# Altium PCB transceiver_board_V1.PcbDoc (part 3 of 3)
Units mm, origin at the board's own origin, x right, y up, seen from the top; angles counter-clockwise.
Board outline 93.88 x 97.28 mm, 4 copper layers (L1-CU, L2-CU, L3-CU, L4-CU), stack 1.602 mm thick; 102 components, 133 nets, 517 pads, 379 vias.
Unrouted connection lines stored in the file: 680.
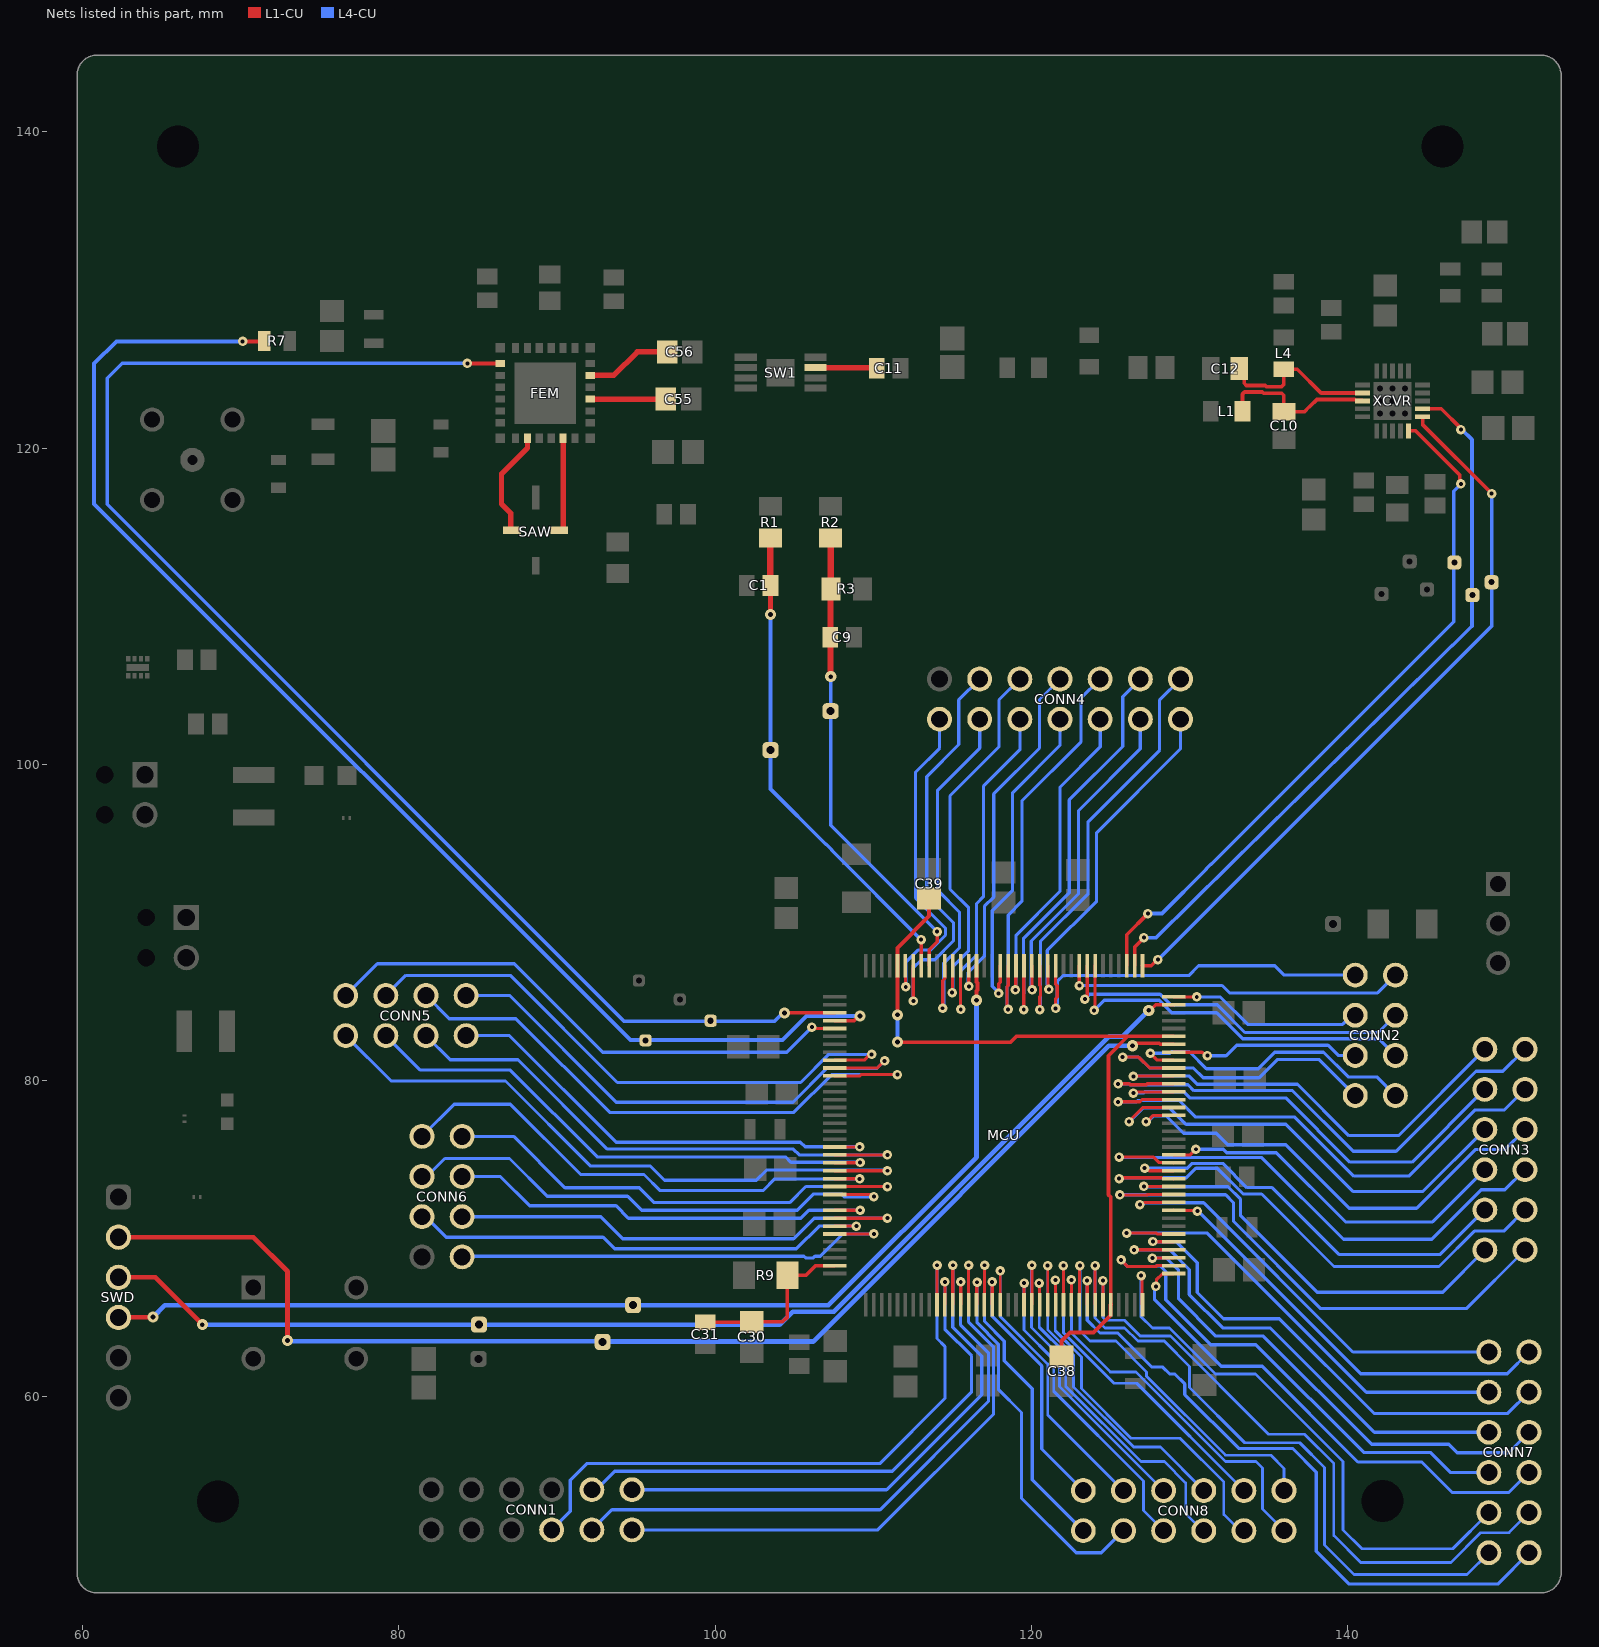
[diagram p5: the nets of this part, all layers, seen from the top]

## Via types
v1: diameter 0.7, hole 0.3, L1-CU to L4-CU, 201 vias
v2: diameter 0.6, hole 0.25, L1-CU to L4-CU, 140 vias
v3: diameter 1, hole 0.5, L1-CU to L4-CU, 36 vias
v4: diameter 1.524, hole 0.762, L1-CU to L4-CU, 1 vias
v5: diameter 0.7/0.7/0.7/0.7 (per signal layer), hole 0.3, L1-CU to L4-CU, 1 vias

## Nets (pads, with @x,y where several pads share a name; then routed paths per layer and width w, separated by ;. In a path a pad name is that pad's centre, name@x,y a point inside that pad or via, vN(x,y) a via of type N, cw(c..) or ccw(c..) an arc to the next point about the centre after c; other vN are vias at no path point) (continued)
PA7: CONN1.8 MCU.46 | length 40.6
  L1-CU w0.203: MCU.46@114.038,65.811 v2(114.038,68.303)
  L4-CU w0.203: CONN1.8@89.662,51.562 90.83,52.73 90.83,54.712 91.872,55.753 110.419,55.753 114.538,59.872 114.538,63.169 114.038,63.669 v2(114.038,68.303)
PA8: CONN3.12 MCU.97 | length 33.7
  L1-CU w0.203: v2(125.501,79.78) 126.19,79.78 126.248,79.723 127.281,79.723 127.338,79.78 MCU.97@129.007,79.78
  L4-CU w0.203: v2(125.501,79.78) 126.19,79.78 126.248,79.723 129.914,79.723 130.287,79.35 136.525,79.35 140.36,75.514 143.078,75.514 148.133,80.569 149.835,80.569 CONN3.12@151.232,81.966
PA9: CONN3.11 MCU.98 | length 28.6
  L1-CU w0.203: v2(126.467,80.252) 126.495,80.28 MCU.98@129.007,80.28
  L4-CU w0.203: v2(126.467,80.252) 126.495,80.28 129.967,80.28 130.492,79.756 136.842,79.756 140.094,76.505 143.231,76.505 CONN3.11@148.692,81.966
PA10: CONN2.1 MCU.99 | length 20.2
  L1-CU w0.203: v2(125.782,81.471) 126.792,81.471 127.483,80.78 MCU.99@129.007,80.78
  L4-CU w0.203: v2(125.782,81.471) 126.792,81.471 127.483,80.78 130.256,80.78 130.874,80.162 134.41,80.162 135.558,81.311 138.22,81.311 CONN2.1@140.495,79.036
PA11: CONN2.2 MCU.100 | length 19.2
  L1-CU w0.203: v2(127.532,81.713) 127.965,81.28 MCU.100@129.007,81.28
  L4-CU w0.203: v2(127.532,81.713) 128.776,81.713 128.872,81.809 130.009,81.809 131.082,80.736 134.355,80.736 135.39,81.771 138.485,81.771 140.043,80.213 141.857,80.213 CONN2.2@143.035,79.036
PA12: CONN2.3 MCU.101 | length 12.1
  L1-CU w0.203: MCU.101@129.007,81.78 130.809,81.78 131.029,81.559 v2(131.137,81.559)
  L4-CU w0.203: v2(131.137,81.559) 132.327,81.559 132.987,82.22 138.776,82.22 139.419,81.576 CONN2.3@140.495,81.576
PA15: CONN2.5 MCU.108 | length 12.4
  L1-CU w0.203: MCU.108@129.007,85.28 v2(130.467,85.28)
  L4-CU w0.203: v2(130.467,85.28) 130.987,85.28 130.994,85.273 131.956,85.273 133.689,83.541 139.694,83.541 140.269,84.116 CONN2.5@140.495,84.116
PB0: CONN1.10 MCU.49 | length 38.2
  L1-CU w0.203: MCU.49@115.538,65.811 v2(115.538,67.247)
  L4-CU w0.203: CONN1.10@92.202,51.562 93.472,52.832 110.439,52.832 117.29,59.683 117.29,62.772 115.516,64.546 115.516,67.225 v2(115.538,67.247)
PB1: CONN1.12 MCU.50 | length 38.5
  L1-CU w0.203: MCU.50@116.038,65.811 v2(116.038,68.303)
  L4-CU w0.203: CONN1.12@94.742,51.562 110.287,51.562 117.617,58.892 117.617,63.127 116.038,64.705 v2(116.038,68.303)
PB2: CONN8.4 MCU.51 | length 24.7
  L1-CU w0.203: MCU.51@116.538,65.811 116.551,65.824 116.551,67.204 v2(116.571,67.225)
  L4-CU w0.203: v2(116.571,67.225) 116.571,64.652 117.921,63.302 117.921,60.447 119.38,58.988 119.38,53.569 122.834,50.114 124.435,50.114 CONN8.4@125.832,51.511
PB4: CONN4.8 MCU.131 | length 23.2
  L1-CU w0.203: MCU.131@116.038,87.249 116.047,87.24 116.047,85.948 v2(116.056,85.939)
  L4-CU w0.203: v2(116.056,85.939) 116.006,85.989 116.006,86.822 117.038,87.854 117.038,91.003 117.627,91.592 117.627,98.12 120.523,101.016 120.523,104.089 CONN4.8@121.818,105.385
PB5: CONN4.9 MCU.132 | length 22.7
  L1-CU w0.203: v2(115.538,84.486) 115.527,84.497 115.527,87.238 MCU.132@115.538,87.249
  L4-CU w0.203: v2(115.538,84.486) 115.527,84.497 115.527,86.388 115.516,86.399 115.516,86.891 116.538,87.912 116.538,91.183 116.987,91.632 116.987,98.623 119.278,100.914 CONN4.9@119.278,102.845
PB6: CONN4.10 MCU.133 | length 24.3
  L1-CU w0.203: v2(114.998,85.55) 115.025,85.576 115.025,87.236 MCU.133@115.038,87.249
  L4-CU w0.203: v2(114.998,85.55) 115.038,85.589 115.038,87.184 116.038,88.184 116.038,90.917 114.859,92.096 114.859,97.993 117.958,101.092 117.958,104.064 CONN4.10@119.278,105.385
PB7: CONN4.11 MCU.134 | length 23.2
  L1-CU w0.203: v2(114.398,84.56) 114.398,86.317 114.525,86.444 114.525,87.236 MCU.134@114.538,87.249
  L4-CU w0.203: v2(114.398,84.56) 114.47,84.632 114.47,87.405 115.468,88.404 115.468,90.617 114.071,92.014 114.071,98.349 116.738,101.016 CONN4.11@116.738,102.845
PB10: CONN7.12 MCU.66 | length 41.6
  L1-CU w0.178: MCU.66@124.038,65.811 v2(124.038,68.28)
  L4-CU w0.178: v2(124.038,68.28) 124.038,64.96 124.66,64.338 125.908,64.338 126.746,63.5 128.41,63.5 130.004,61.906 130.004,60.579 133.509,57.074 136.982,57.074 138.557,55.499 138.557,50.597 140.411,48.743 147.574,48.743 CONN7.12@148.946,50.114
PB11: CONN7.9 MCU.67 | length 41.2
  L1-CU w0.178: MCU.67@124.537,65.812 v2@124.537,67.332
  L4-CU w0.178: v2(124.537,67.332) 124.537,65.005 124.721,64.821 125.898,64.821 126.898,63.821 128.804,63.821 135.018,57.607 137.287,57.607 139.141,55.753 139.141,51.206 140.843,49.505 146.558,49.505 148.438,51.384 150.216,51.384 CONN7.9@151.486,52.654
PB12: CONN7.10 MCU.72 | length 36
  L1-CU w0.178: v2(126.952,67.64) 127.012,67.58 127.012,65.837 MCU.72@127.038,65.811
  L4-CU w0.178: v2(126.952,67.64) 126.952,65.047 127.66,64.338 128.74,64.338 131.655,61.423 134.179,61.423 139.725,55.877 139.725,51.562 140.919,50.368 146.66,50.368 CONN7.10@148.946,52.654
PB13: CONN7.7 MCU.73 | length 31.8
  L1-CU w0.203: v2(127.879,66.965) 127.913,67 127.913,67.38 128.301,67.767 128.994,67.767 MCU.73@129.007,67.78
  L4-CU w0.203: v2(127.879,66.965) 127.803,66.889 127.803,66.117 132.015,61.906 134.614,61.906 140.665,55.855 144.704,55.855 146.634,53.924 150.216,53.924 CONN7.7@151.486,55.194
PB14: CONN7.8 MCU.74 | length 33.5
  L1-CU w0.203: v2(125.678,68.641) 126.099,68.219 127.879,68.219 127.941,68.28 MCU.74@129.007,68.28
  L4-CU w0.203: v2(125.678,68.641) 125.689,68.641 126.111,68.219 127.879,68.219 127.919,68.259 128.16,68.259 128.511,67.907 128.511,66.114 131.354,63.271 134.214,63.271 141.021,56.464 145.237,56.464 146.507,55.194 CONN7.8@148.946,55.194
PB15: CONN7.5 MCU.75 | length 31.9
  L1-CU w0.203: v2(127.66,68.747) 127.68,68.768 128.994,68.768 MCU.75@129.007,68.78
  L4-CU w0.203: v2(127.66,68.747) 127.672,68.759 128.549,68.759 129.318,67.99 129.318,66.171 131.667,63.821 134.68,63.821 141.529,56.972 146.406,56.972 146.939,56.439 150.19,56.439 CONN7.5@151.486,57.734
PC0: CONN6.3 MCU.28 | length 28.1
  L1-CU w0.203: MCU.28@107.569,71.78 v2(109.172,71.78)
  L4-CU w0.203: CONN6.3@83.998,73.914 86.411,73.914 88.265,72.06 93.738,72.06 94.518,71.28 105.431,71.28 105.931,71.78 v2(109.172,71.78)
PC1: CONN6.5 MCU.29 | length 31.4
  L1-CU w0.203: MCU.29@107.569,71.28 v2(110.898,71.28)
  L4-CU w0.203: CONN6.5@83.902,71.374 92.761,71.374 94.158,69.977 104.966,69.977 106.269,71.28 v2(110.898,71.28)
PC2_C: CONN6.6 MCU.30 | length 30.2
  L1-CU w0.203: MCU.30@107.569,70.78 v2(108.936,70.78)
  L4-CU w0.203: CONN6.6@81.572,71.488 82.982,70.079 92.913,70.079 93.65,69.342 105.14,69.342 106.578,70.78 v2(108.936,70.78)
PC3_C: CONN6.7 MCU.31 | length 29.2
  L1-CU w0.203: MCU.31@107.569,70.28 v2(110.038,70.28)
  L4-CU w0.203: CONN6.7@83.964,68.868 105.625,68.868 105.729,68.763 106.208,68.763 106.313,68.868 106.656,68.868 108.069,70.28 v2(110.038,70.28)
PC4: CONN1.9 MCU.47 | length 35.7
  L1-CU w0.203: MCU.47@114.538,65.811 v2(114.538,67.247)
  L4-CU w0.203: CONN1.9@92.202,54.102 92.481,54.102 93.65,55.27 111.202,55.27 116.228,60.296 116.228,62.568 114.538,64.258 v2(114.538,67.247)
PC5: CONN1.11 MCU.48 | length 36
  L1-CU w0.203: MCU.48@115.038,65.811 v2(115.038,68.303)
  L4-CU w0.203: CONN1.11@94.742,54.102 110.846,54.102 116.865,60.122 116.865,62.547 115.038,64.375 v2(115.038,68.303)
PC6: CONN3.8 MCU.93 | length 30.5
  L1-CU w0.203: v2(127.264,77.391) 127.341,77.391 127.73,77.78 MCU.93@129.007,77.78
  L4-CU w0.203: v2(127.264,77.391) 127.371,77.391 127.742,77.762 128.525,77.762 129.632,76.655 131.697,76.655 132.432,75.921 136.093,75.921 140.106,71.907 144.374,71.907 148.082,75.616 149.962,75.616 CONN3.8@151.232,76.886
PC7: CONN3.7 MCU.94 | length 29.9
  L1-CU w0.203: v2(126.19,77.391) 126.19,77.426 127.044,78.28 MCU.94@129.007,78.28
  L4-CU w0.203: v2(126.19,77.391) 127.043,78.244 128.755,78.244 129.783,77.216 136.106,77.216 140.348,72.974 144.78,72.974 CONN3.7@148.692,76.886
PC8: CONN3.10 MCU.95 | length 33.6
  L1-CU w0.203: v2(125.501,78.641) 126.864,78.641 127.004,78.78 MCU.95@129.007,78.78
  L4-CU w0.203: v2(125.501,78.641) 126.66,78.641 126.743,78.723 129.362,78.723 130.412,77.673 136.677,77.673 140.411,73.939 143.891,73.939 148.082,78.13 149.936,78.13 CONN3.10@151.232,79.426
PC9: CONN3.9 MCU.96 | length 28.6
  L1-CU w0.203: v2(126.467,79.194) 126.54,79.267 128.994,79.267 MCU.96@129.007,79.28
  L4-CU w0.203: v2(126.467,79.194) 127.087,79.194 127.173,79.28 129.637,79.28 130.03,78.887 136.099,78.887 140.157,74.828 144.094,74.828 CONN3.9@148.692,79.426
PC13: CONN5.3 MCU.9 | length 37.3
  L1-CU w0.203: MCU.9@107.569,81.28 109.43,81.28 109.791,81.64 v2(109.898,81.64)
  L4-CU w0.203: CONN5.3@79.172,85.369 80.442,86.639 87.046,86.639 93.822,79.863 105.407,79.863 107.185,81.64 v2(109.898,81.64)
PC14-OSC32_IN: CONN5.7 MCU.10 | length 33.7
  L1-CU w0.203: MCU.10@107.569,80.78 110.27,80.78 v2(110.719,81.229)
  L4-CU w0.203: CONN5.7@84.252,85.369 86.995,85.369 93.751,78.613 104.926,78.613 107.064,80.752 110.241,80.752 v2(110.719,81.229)
PC15-OSC32_OUT: CONN5.5 MCU.11 | length 37.9
  L1-CU w0.203: MCU.11@107.569,80.28 109.156,80.28 109.241,80.366 v2(111.531,80.366)
  L4-CU w0.203: CONN5.5@81.712,85.369 83.185,83.896 87.401,83.896 87.461,83.837 93.325,77.973 104.981,77.973 107.374,80.366 v2(111.531,80.366)
PD3: CONN2.4 MCU.115 | length 23.6
  L1-CU w0.203: v2(123.977,84.43) 124.025,84.477 124.025,87.236 MCU.115@124.038,87.249
  L4-CU w0.203: v2(123.977,84.43) 124.612,85.065 128.1,85.065 128.884,84.28 131.724,84.28 133.378,82.626 141.984,82.626 CONN2.4@143.035,81.576
PD4: CONN2.6 MCU.116 | length 23.4
  L1-CU w0.203: v2(123.398,85.141) 123.398,85.221 123.538,85.361 MCU.116@123.538,87.249
  L4-CU w0.203: v2(123.398,85.141) 123.703,85.445 128.15,85.445 128.818,84.777 131.765,84.777 133.515,83.027 141.946,83.027 CONN2.6@143.035,84.116
PD5: CONN2.8 MCU.117 | length 21.9
  L1-CU w0.203: v2(123.038,85.996) MCU.117@123.038,87.249
  L4-CU w0.203: v2(123.038,85.996) 132.069,85.996 132.538,85.527 141.906,85.527 CONN2.8@143.035,86.656
PD6: CONN2.7 MCU.120 | length 24
  L1-CU w0.203: v2(121.538,84.556) 121.538,85.172 121.639,85.274 121.639,85.978 121.538,86.08 MCU.120@121.538,87.249
  L4-CU w0.203: v2(121.538,84.556) 121.614,84.632 121.614,84.848 121.639,84.873 121.639,86.258 122.008,86.627 129.959,86.627 130.581,87.249 135.407,87.249 136,86.656 CONN2.7@140.495,86.656
PD7: CONN4.1 MCU.121 | length 22.1
  L1-CU w0.203: MCU.121@121.038,87.249 121.05,87.236 121.05,85.819 v2(121.111,85.759)
  L4-CU w0.203: v2(121.111,85.759) 121.035,85.835 121.035,86.058 121.016,86.077 121.016,88.218 124.13,91.332 124.13,95.656 129.438,100.965 CONN4.1@129.438,102.845
PD8: CONN7.6 MCU.76 | length 30.6
  L1-CU w0.203: v2(126.509,69.271) 126.514,69.276 129.002,69.276 MCU.76@129.007,69.28
  L4-CU w0.203: v2(126.509,69.271) 127.437,69.271 127.441,69.276 128.752,69.276 129.997,68.031 129.997,66.446 132.105,64.338 135.103,64.338 141.707,57.734 CONN7.6@148.946,57.734
PD9: CONN7.3 MCU.77 | length 31.3
  L1-CU w0.203: v2(127.697,69.804) 127.709,69.792 128.995,69.792 MCU.77@129.007,69.78
  L4-CU w0.203: v2(127.697,69.804) 127.721,69.78 129.183,69.78 130.505,68.458 130.505,66.58 132.163,64.922 135.687,64.922 141.681,58.928 150.139,58.928 CONN7.3@151.486,60.274
PD10: CONN7.4 MCU.78 | length 30.1
  L1-CU w0.203: v2(126.035,70.333) 127.916,70.333 127.968,70.28 MCU.78@129.007,70.28
  L4-CU w0.203: v2(126.035,70.333) 131.14,70.333 141.199,60.274 CONN7.4@148.946,60.274
PD11: CONN7.1 MCU.81 | length 27.3
  L1-CU w0.203: MCU.81@129.007,71.78 129.019,71.767 130.468,71.767 v2(130.505,71.73)
  L4-CU w0.203: v2(130.505,71.73) 130.555,71.73 140.843,61.443 150.114,61.443 CONN7.1@151.486,62.814
PD12: CONN7.2 MCU.82 | length 28.2
  L1-CU w0.203: v2(126.876,72.141) 126.983,72.141 127.123,72.28 MCU.82@129.007,72.28
  L4-CU w0.203: v2(126.876,72.141) 126.952,72.216 127.151,72.216 127.193,72.259 130.9,72.259 140.344,62.814 CONN7.2@148.946,62.814
PD13: CONN3.2 MCU.83 | length 34.3
  L1-CU w0.203: v2(125.608,72.751) 127.334,72.751 127.363,72.78 MCU.83@129.007,72.78
  L4-CU w0.203: v2(125.608,72.751) 125.616,72.759 132.293,72.759 132.795,72.257 132.795,71.074 138.311,65.557 147.523,65.557 CONN3.2@151.232,69.266
PD14: CONN3.1 MCU.84 | length 27.9
  L1-CU w0.203: v2(127.123,73.287) 127.126,73.284 129.003,73.284 MCU.84@129.007,73.28
  L4-CU w0.203: v2(127.123,73.287) 127.141,73.27 132.445,73.27 133.245,72.47 133.245,71.439 138.085,66.599 146.025,66.599 CONN3.1@148.692,69.266
PD15: CONN3.4 MCU.85 | length 33.5
  L1-CU w0.203: v2(125.551,73.78) 125.608,73.837 128.253,73.837 128.297,73.793 128.994,73.793 MCU.85@129.007,73.78
  L4-CU w0.203: v2(125.551,73.78) 125.608,73.837 129.808,73.837 130.413,74.442 131.769,74.442 133.404,72.807 134.568,72.807 139.151,68.224 145.796,68.224 148.031,70.46 149.885,70.46 CONN3.4@151.232,71.806
PE0: CONN4.12 MCU.138 | length 26.2
  L1-CU w0.203: v2(112.538,85.018) MCU.138@112.538,87.249
  L4-CU w0.203: v2(112.538,85.018) 112.538,87.112 113.056,87.63 113.894,87.63 115.077,88.814 115.077,89.986 113.386,91.678 113.386,99.212 115.418,101.244 115.418,104.064 CONN4.12@116.738,105.385
PE1: CONN4.13 MCU.139 | length 21.2
  L1-CU w0.203: MCU.139@112.038,87.249 112.038,85.939 v2(112.059,85.918)
  L4-CU w0.203: v2(112.059,85.918) 112.059,87.472 112.827,88.24 113.625,88.24 114.575,89.189 114.575,89.627 112.674,91.527 112.674,99.492 114.198,101.016 CONN4.13@114.198,102.845
PE5: CONN5.1 MCU.5 | length 34.8
  L1-CU w0.203: v2(106.121,83.368) 106.202,83.368 106.29,83.28 MCU.5@107.569,83.28
  L4-CU w0.203: CONN5.1@76.632,85.369 78.638,87.376 87.3,87.376 92.896,81.78 104.533,81.78 v2(106.121,83.368)
PE7: CONN8.6 MCU.57 | length 20.7
  L1-CU w0.178: MCU.57@119.538,65.811 119.543,65.817 119.543,67.169 v2(119.549,67.174)
  L4-CU w0.178: v2(119.549,67.174) 119.538,67.163 119.538,64.205 121.42,62.323 121.42,60.33 127.102,54.649 127.102,52.781 CONN8.6@128.372,51.511
PE8: CONN8.5 MCU.58 | length 20.2
  L1-CU w0.178: MCU.58@120.038,65.811 v2(120.038,68.303)
  L4-CU w0.178: v2(120.038,68.303) 120.015,68.28 120.015,64.375 121.791,62.598 121.791,60.631 CONN8.5@128.372,54.051
PE9: CONN8.8 MCU.59 | length 22.2
  L1-CU w0.178: v2(120.504,67.174) 120.521,67.157 120.521,65.828 MCU.59@120.538,65.811
  L4-CU w0.178: v2(120.504,67.174) 120.504,64.384 122.178,62.71 122.178,60.64 126.938,55.88 128.422,55.88 129.769,54.534 129.769,52.603 CONN8.8@130.886,51.486
PE10: CONN8.7 MCU.60 | length 21.8
  L1-CU w0.178: MCU.60@121.038,65.811 v2(121.038,68.28)
  L4-CU w0.178: v2(121.038,68.28) 121.038,64.245 122.677,62.605 122.677,60.604 126.487,56.794 128.168,56.794 CONN8.7@130.912,54.051
PE11: CONN8.10 MCU.61 | length 24.2
  L1-CU w0.178: v2(121.52,67.358) 121.529,67.349 121.529,65.82 MCU.61@121.538,65.811
  L4-CU w0.178: v2(121.52,67.358) 121.52,64.158 123.174,62.503 123.174,60.503 126.316,57.361 129.405,57.361 132.182,54.585 132.182,52.527 CONN8.10@133.325,51.384
PE12: CONN8.9 MCU.62 | length 22.3
  L1-CU w0.178: MCU.62@122.038,65.811 v2(122.038,68.28)
  L4-CU w0.178: v2(122.038,68.28) 122.038,64.035 125.24,60.833 126.67,60.833 CONN8.9@133.452,54.051
PE13: CONN8.12 MCU.63 | length 25.1
  L1-CU w0.178: MCU.63@122.538,65.811 122.541,65.814 122.541,67.368 v2(122.544,67.371)
  L4-CU w0.178: v2(122.544,67.371) 122.544,64.017 125.003,61.558 126.617,61.558 132.295,55.88 134.214,55.88 134.62,55.474 134.62,52.883 CONN8.12@135.992,51.511
PE14: CONN8.11 MCU.64 | length 24.7
  L1-CU w0.178: MCU.64@123.038,65.811 123.056,65.83 123.056,68.262 v2(123.074,68.28)
  L4-CU w0.178: v2(123.074,68.28) 123.074,64.141 123.716,63.5 125.351,63.5 127.293,61.558 127.293,61.277 132.284,56.286 135.153,56.286 135.992,55.448 CONN8.11@135.992,54.051
PE15: CONN7.11 MCU.65 | length 43
  L1-CU w0.203: MCU.65@123.538,65.811 MCU.65@123.538,65.811 123.539,67.332 v2(123.54,67.333)
  L4-CU w0.203: v2(123.54,67.333) 123.54,64.823 124.348,64.016 125.483,64.016 127.637,61.862 128.327,61.862 128.766,61.423 129.083,61.423 129.712,60.793 129.712,60.121 133.115,56.718 136.525,56.718 138.024,55.22 138.024,50.216 140.106,48.133 149.504,48.133 CONN7.11@151.486,50.114
PF6: CONN5.8 MCU.20 | length 29.4
  L1-CU w0.203: MCU.20@107.569,75.78 107.576,75.787 109.13,75.787 v2(109.137,75.794)
  L4-CU w0.203: CONN5.8@84.252,82.829 86.995,82.829 93.738,76.086 105.397,76.086 105.689,75.794 v2(109.137,75.794)
PF7: CONN5.6 MCU.21 | length 35.6
  L1-CU w0.203: MCU.21@107.569,75.28 v2(110.898,75.28)
  L4-CU w0.203: CONN5.6@81.712,82.829 83.236,81.305 87.528,81.305 93.187,75.647 104.947,75.647 105.314,75.28 v2(110.898,75.28)
PF8: CONN5.4 MCU.22 | length 34.9
  L1-CU w0.203: MCU.22@107.569,74.78 107.58,74.791 109.162,74.791 v2(109.172,74.802)
  L4-CU w0.203: CONN5.4@79.172,82.829 81.356,80.645 87.046,80.645 92.532,75.159 104.453,75.159 104.797,74.814 109.16,74.814 v2(109.172,74.802)
PF9: CONN5.2 MCU.23 | length 41.7
  L1-CU w0.203: MCU.23@107.569,74.28 v2(110.898,74.28)
  L4-CU w0.203: CONN5.2@76.632,82.829 79.502,79.959 86.741,79.959 92.126,74.574 95.91,74.574 96.799,73.685 102.613,73.685 103.251,74.323 110.855,74.323 v2(110.898,74.28)
PF10: CONN6.2 MCU.24 | length 32.7
  L1-CU w0.203: MCU.24@107.569,73.78 107.579,73.771 109.137,73.771 v2(109.146,73.761)
  L4-CU w0.203: CONN6.2@81.458,76.454 83.49,78.486 87.046,78.486 91.491,74.041 95.504,74.041 96.52,73.025 103.028,73.025 103.764,73.761 v2(109.146,73.761)
PF11: CONN8.2 MCU.52 | length 21.9
  L1-CU w0.203: MCU.52@117.038,65.811 117.05,65.824 v2(117.05,68.303)
  L4-CU w0.203: v2(117.05,68.303) 117.05,64.742 118.288,63.504 118.288,62.264 120.066,60.486 120.066,54.737 CONN8.2@123.292,51.511
PF14: CONN8.1 MCU.53 | length 17
  L1-CU w0.203: v2(117.529,67.247) 117.533,67.242 117.533,65.816 MCU.53@117.538,65.811
  L4-CU w0.203: v2(117.529,67.247) 117.529,65.073 120.666,61.935 120.666,56.677 CONN8.1@123.292,54.051
PF15: CONN8.3 MCU.54 | length 19.3
  L1-CU w0.178: MCU.54@118.038,65.811 v2(118.038,67.945)
  L4-CU w0.178: v2(118.038,67.945) 118.038,65.056 121.038,62.056 121.038,58.845 124.841,55.042 CONN8.3@125.832,54.051
PG6: CONN3.3 MCU.86 | length 27.1
  L1-CU w0.203: v2(127.173,74.442) 127.28,74.442 127.442,74.28 MCU.86@129.007,74.28
  L4-CU w0.203: v2(127.173,74.442) 129.875,74.442 130.18,74.747 132.11,74.747 133.643,73.214 135.232,73.214 139.459,68.986 145.872,68.986 CONN3.3@148.692,71.806
PG7: CONN3.6 MCU.87 | length 33.3
  L1-CU w0.203: v2(125.551,75.14) 127.74,75.14 128.087,74.793 128.994,74.793 MCU.87@129.007,74.78
  L4-CU w0.203: v2(125.551,75.14) 125.579,75.112 134.591,75.112 139.751,69.952 145.339,69.952 148.463,73.076 149.962,73.076 CONN3.6@151.232,74.346
PG8: CONN3.5 MCU.88 | length 23.1
  L1-CU w0.203: MCU.88@129.007,75.28 130.053,75.28 v2(130.413,75.64)
  L4-CU w0.203: v2(130.413,75.64) 132.139,75.64 132.359,75.42 135.502,75.42 139.878,71.044 145.39,71.044 CONN3.5@148.692,74.346
PG9: CONN4.2 MCU.122 | length 27.4
  L1-CU w0.203: v2(120.538,84.477) 120.538,85.293 120.582,85.338 120.582,85.97 120.538,86.015 MCU.122@120.538,87.249
  L4-CU w0.203: v2(120.538,84.477) 120.582,84.522 120.582,88.791 123.596,91.805 123.596,96.368 128.118,100.889 128.118,104.064 CONN4.2@129.438,105.385
PG10: CONN4.3 MCU.123 | length 21.5
  L1-CU w0.203: MCU.123@120.038,87.249 120.046,87.241 120.046,85.733 v2(120.054,85.725)
  L4-CU w0.203: v2(120.054,85.725) 120.004,85.775 120.004,88.812 122.987,91.796 122.987,97.053 126.898,100.965 CONN4.3@126.898,102.845
PG11: CONN4.4 MCU.124 | length 26.8
  L1-CU w0.203: v2(119.525,84.477) 119.525,87.236 MCU.124@119.538,87.249
  L4-CU w0.203: v2(119.525,84.477) 119.516,84.486 119.516,85.497 119.525,85.506 119.525,87.241 119.516,87.25 119.516,88.986 122.403,91.872 122.403,97.739 125.781,101.117 125.781,104.267 CONN4.4@126.898,105.385
PG12: CONN4.5 MCU.125 | length 20.9
  L1-CU w0.203: v2(118.997,85.725) 119.025,85.754 119.025,87.236 MCU.125@119.038,87.249
  L4-CU w0.203: v2(118.997,85.725) 119.038,85.766 119.038,89.178 121.818,91.959 121.818,98.552 124.358,101.092 CONN4.5@124.358,102.845
PG13: CONN4.6 MCU.126 | length 26.2
  L1-CU w0.203: v2(118.538,84.486) 118.468,84.556 118.468,85.944 118.538,86.014 MCU.126@118.538,87.249
  L4-CU w0.203: v2(118.538,84.486) 118.468,84.556 118.468,85.944 118.538,86.014 118.538,90.456 119.411,91.329 119.411,97.669 123.139,101.397 123.139,104.165 CONN4.6@124.358,105.385
PG14: CONN4.7 MCU.127 | length 21.1
  L1-CU w0.203: v2(117.939,85.497) 117.939,86.105 118.038,86.204 MCU.127@118.038,87.249
  L4-CU w0.203: v2(117.939,85.497) 117.939,85.55 117.538,85.951 117.538,90.739 118.821,92.023 118.821,98.196 121.818,101.194 CONN4.7@121.818,102.845
PH0-OSC_IN: CONN6.1 MCU.25 | length 32.4
  L1-CU w0.203: MCU.25@107.569,73.28 107.57,73.281 110.897,73.281 v2(110.898,73.28)
  L4-CU w0.203: CONN6.1@83.998,76.454 87.249,76.454 90.5,73.203 95.199,73.203 96.122,72.28 104.741,72.28 105.743,73.282 110.896,73.282 v2(110.898,73.28)
PH1-OSC_OUT: CONN6.4 MCU.26 | length 33.4
  L1-CU w0.203: MCU.26@107.569,72.78 109.818,72.78 109.957,72.64 v2(110.038,72.64)
  L4-CU w0.203: CONN6.4@81.458,73.914 81.763,73.914 82.906,75.057 86.995,75.057 89.383,72.669 94.463,72.669 95.352,71.78 105.192,71.78 106.215,72.803 108.005,72.803 108.167,72.64 v2(110.038,72.64)
RF_N: C10.1 L1.1 XCVR.13 | length 10.2
  L1-CU w0.231: L1.1@133.359,122.326 133.359,123.41 133.495,123.546 134.62,123.546 134.698,123.468 135.831,123.468 135.966,123.333 135.966,122.326 C10.1@135.992,122.301 137.287,122.301 137.592,122.606 137.606,122.606 138.071,123.071 138.642,123.071 140.462,123.071 140.516,123.017 140.921,123.017 XCVR.13@140.958,122.98
RF_P: C12.1 L4.2 XCVR.12 | length 10.3
  L1-CU w0.231: C12.1@133.155,125.019 133.469,124.705 133.469,124.09 133.604,123.954 134.789,123.954 134.867,123.877 135.831,123.877 135.966,124.012 L4.2@135.966,124.984 136.83,124.984 138.334,123.48 XCVR.12@140.958,123.48
RFC: C11.2 SW1.3 | length 3.9
  L1-CU w0.343: SW1.3@106.34,125.09 110.183,125.09 C11.2@110.223,125.05
"Rx Output": C55.2 FEM.18 | length 4.8
  L1-CU w0.343: FEM.18@92.101,123.094 96.882,123.094 C55.2@96.888,123.088
SAW_IN: FEM.10 SAW.1 | length 6.8
  L1-CU w0.343: SAW.1@87.147,114.808 87.145,114.808 87.075,114.878 87.075,115.871 86.487,116.459 86.487,118.364 88.131,120.008 FEM.10@88.131,120.607
SAW_OUT: FEM.13 SAW.3 | length 6
  L1-CU w0.343: SAW.3@90.145,114.808 90.311,114.808 90.381,114.878 FEM.13@90.381,120.607
SCLK: MCU.109 pad.7@149.125,111.51 XCVR.1 | length 46
  L1-CU w0.229: MCU.109@127.038,87.249 127.594,87.249 127.975,87.63 v2(128.016,87.63) ; XCVR.1@144.755,121.98 144.755,121.489 v2(149.125,117.119)
  L4-CU w0.229: v2(128.016,87.63) 128.343,87.957 149.125,108.739 v2(149.125,117.119)
SI: MCU.111 pad.7@146.761,112.751 XCVR.20 | length 44.8
  L1-CU w0.229: MCU.111@126.038,87.249 126.038,89.208 v2(127.381,90.551) ; XCVR.20@143.857,121.081 144.324,121.081 147.111,118.293 147.111,117.8 v2(147.182,117.729)
  L4-CU w0.229: v2(127.381,90.551) 128.27,90.551 131.077,93.358 131.077,93.387 131.352,93.662 131.381,93.662 146.736,109.017 146.736,112.751 146.736,117.266 147.182,117.713 v2(147.182,117.729)
SO: MCU.110 pad.7@147.904,110.693 XCVR.2 | length 46.6
  L1-CU w0.229: MCU.110@126.538,87.249 126.538,88.438 v2(127.127,89.027) ; XCVR.2@144.755,122.48 145.938,122.48 147.182,121.236 v2(147.182,121.158)
  L4-CU w0.229: v2(127.127,89.027) 127.889,89.027 147.811,108.663 147.879,108.73 147.879,110.439 147.879,120.534 147.254,121.158 v2(147.182,121.158)
SWCLK: MCU.107 pad.7@85.065,64.541 SWD.3 | length 76.4
  L1-CU w0.229: v1(127.432,84.43) 127.532,84.43 127.883,84.78 MCU.107@129.007,84.78
  L1-CU w0.305: SWD.3@62.255,67.539 64.592,67.539 67.564,64.567 v1(67.564,64.541)
  L4-CU w0.305: v1(67.564,64.541) pad.7@85.065,64.541 104.089,64.541 104.913,65.366 107.513,65.366 124.928,82.78 125.782,82.78 v1(127.432,84.43)
SWDIO: MCU.102 pad.7@92.888,63.449 SWD.2 | length 79.9
  L1-CU w0.229: v1(126.398,82.189) 126.526,82.189 126.687,82.35 128.102,82.35 128.172,82.28 MCU.102@129.007,82.28
  L1-CU w0.305: SWD.2@62.255,70.079 70.79,70.079 72.949,67.92 v1(72.949,63.543)
  L4-CU w0.305: v1(72.949,63.543) 72.996,63.496 92.868,63.496 92.888,63.476 106.198,63.476 124.911,82.189 v1(126.398,82.189)
SWDO: MCU.130 pad.7@94.818,65.786 SWD.4 | length 70.6
  L1-CU w0.229: v1(116.538,85.065) 116.538,85.656 116.597,85.715 116.597,86.163 116.538,86.223 MCU.130@116.538,87.249
  L1-CU w0.305: SWD.4@62.255,64.999 62.268,65.011 64.427,65.011 v1(64.44,65.024)
  L4-CU w0.305: v1(64.44,65.024) 65.188,65.772 82.372,65.772 82.373,65.773 83.302,65.773 83.303,65.772 94.818,65.772 107.169,65.772 116.538,75.14 v1(116.538,85.065)
TR: FEM.2 MCU.3 pad.7@99.72,83.769 | length 93
  L1-CU w0.229: v2(84.328,125.349) 84.33,125.347 86.408,125.347 FEM.2@86.41,125.344 ; v1(104.394,84.252) 104.422,84.28 MCU.3@107.569,84.28
  L4-CU w0.229: v2(84.328,125.349) 84.313,125.364 62.499,125.364 61.544,124.409 61.544,116.434 94.234,83.744 103.758,83.744 104.266,84.252 v1(104.394,84.252)
"Tx Input": C56.2 FEM.20 | length 5.5
  L1-CU w0.343: FEM.20@92.101,124.594 93.584,124.594 95.076,126.086 C56.2@96.964,126.086
V1: C9.2 MCU.136 pad.7@107.302,103.353 R2.1 R3.2 | length 30.1
  L1-CU w0.229: MCU.136@113.538,87.249 113.538,88.265 114.046,88.773 v2(114.046,89.408)
  L1-CU w0.406: R2.1@107.307,114.316 107.323,114.3 R3.2@107.323,111.084 107.302,111.062 107.302,108.057 C9.2@107.28,108.036 107.298,108.018 107.298,105.554 v1(107.315,105.537)
  L4-CU w0.229: v1(107.315,105.537) 107.315,103.353 107.315,96.139 v2(114.046,89.408)
V2: C1.1 MCU.137 pad.7@103.505,100.889 R1.1 | length 31
  L1-CU w0.229: v2(113.03,88.9) 113.038,88.892 MCU.137@113.038,87.249
  L1-CU w0.305: C1.1@103.497,111.303 103.505,111.295 v1(103.505,109.474)
  L1-CU w0.406: C1.1@103.497,111.303 R1.1@103.497,114.316
  L4-CU w0.229: v1(103.505,109.474) pad.7@103.505,100.889 103.505,98.425 107.003,94.927 107.027,94.927 107.373,94.581 107.373,94.557 v2(113.03,88.9)
VCAP: C38.1 C39.1 MCU.68 MCU.103 MCU.140 | length 50.5
  L1-CU w0.229: v1(111.531,82.42) 118.706,82.42 119.066,82.78 126.113,82.78 ; v1(111.539,84.14) 111.538,85.449 ; 111.538,86.041 MCU.140@111.538,87.249 ; 111.539,85.45 111.539,86.04 ; MCU.68@125.038,65.811 125.038,72.597 124.884,72.751 124.884,81.552 126.113,82.78 ; MCU.103@129.007,82.78 126.113,82.78
  L1-CU w0.254: MCU.140@111.538,87.249 111.538,88.383 113.538,90.383 C39.1@113.538,91.496 ; C38.1@121.92,62.535 121.92,63.5 122.465,64.045 123.946,64.045 125.025,65.125 125.025,65.799 MCU.68@125.038,65.811
  L4-CU w0.229: v1(111.531,82.42) 111.535,82.423 111.535,84.137 v1(111.539,84.14)
VPC: MCU.4 pad.7@95.606,82.525 R7.1 | length 85.1
  L1-CU w0.229: MCU.4@107.569,83.78 108.802,83.78 109.096,84.074 v1(109.169,84.074)
  L1-CU w0.254: v2(70.104,126.746) 71.463,126.746 R7.1@71.488,126.771
  L4-CU w0.254: v2(70.104,126.746) 62.134,126.746 60.719,125.332 60.719,116.471 94.64,82.55 95.606,82.55 104.254,82.55 105.778,84.074 v1(109.169,84.074)
VREF+: C30.2 C31.2 MCU.35 R9.2 | length 11.2
  L1-CU w0.229: C31.2@99.39,64.694 102.286,64.694 C30.2@102.311,64.719 104.267,64.719 104.576,65.028 R9.2@104.576,67.666 105.748,67.666 106.362,68.28 MCU.35@107.569,68.28
pads on no net: CONN4.14 CONN6.8 J1.MH1 J1.MH2 J2.MH1 J2.MH2 LDO.2 LDO.3 MCU.15 MCU.17 MCU.90 MH1.1 MH2.1 MH3.1 MH4.1 XCVR.GND

## Polygon pours and split planes (outlines as drawn)
3.3V on L3-CU "3.3V polygon L3" (solid, remove dead copper, pour order 38): 59.792,93.142 cw(c61.062,93.142) 61.062,94.412 81.458,94.412 ccw(c81.458,95.606) 82.652,95.606 cw(c83.922,95.606) 83.922,96.876 152.121,96.876 cw(c152.121,95.606) 153.391,95.606 153.391,49.073 cw(c152.121,49.073) 152.121,47.803 61.062,47.803 cw(c61.062,49.073) 59.792,49.073
3.9V on L3-CU "3.9V_L03_P024" (solid, remove dead copper, pour order 24): 82.067,128.092 cw(c82.067,129.362) 80.797,129.362 80.797,132.537 cw(c82.042,132.537) 82.042,133.782 94.59,133.782 cw(c94.59,132.512) 95.86,132.512 95.86,128.697 cw(c95.255,128.697) 95.255,128.092
GND on L1-CU "GND_L01_P036" (solid, remove dead copper, pour order 36): 59.715,48.87 ccw(c60.935,48.87) 60.935,47.65 152.197,47.65 ccw(c152.197,48.87) 153.416,48.87 153.416,111.15 ccw(c152.908,111.15) 152.908,111.658 60.985,111.658 ccw(c60.985,110.388) 59.715,110.388
GND on L1-CU "GND_L01_P037" (solid, remove dead copper, pour order 37): 60.255,135.986 cw(c60.255,136.525) 59.715,136.525 59.715,143.586 cw(c60.909,143.586) 60.909,144.78 152.17,144.78 cw(c152.17,143.51) 153.44,143.51 153.44,137.256 cw(c152.17,137.256) 152.17,135.986
GND on L2-CU "GND_L02_P022" (solid, remove dead copper, pour order 22): 59.639,48.692 ccw(c60.757,48.692) 60.757,47.574 152.375,47.574 ccw(c152.375,48.717) 153.518,48.717 153.518,143.713 ccw(c152.375,143.713) 152.375,144.856 60.782,144.856 ccw(c60.782,143.713) 59.639,143.713
GND on L4-CU "Signal" (solid, remove dead copper, pour order 23): 59.639,48.717 59.639,143.713 cw(c60.782,143.713) 60.782,144.856 152.18,144.856 cw(c152.18,143.518) 153.518,143.518 153.518,48.717 cw(c152.375,48.717) 152.375,47.574 60.782,47.574 cw(c60.782,48.717)

## Silkscreen, mask and mechanical layers (free items; w line width, h text height)
Top Overlay:
  drawing of 10 lines, arcs and shapes, not listed
  text "Transceiver" at 128.549,134.163 h1.27
  text "RF Front End" at 61.316,132.715 h1.27
  text "GDO2" at 141.199,112.631 h0.51
  text "SI" at 146.369,111.373 h0.51
  text "SCLK" at 150.114,111.313 h0.51
  text "CSn" at 144.443,109.499 h0.51
  text "GDO0" at 140.945,109.245 h0.51
  text "SO" at 147.529,109.169 h0.51
  text "3.9V" at 71.323,106.02 h1.27
  text "V1" at 105.715,103.073 h0.64
  text "V2" at 101.676,100.584 h0.64
  text "Boot" at 141.63,93.472 h1.27
  text "5V" at 61.468,93.167 h1.27
  text "Transceiver Communications" at 80.052,91.008 h1.52
  text "BYP" at 92.358,85.975 h0.64
  text "*" at 106.731,85.581 h1.02
  text "EN" at 95.739,84.808 h0.64
  text "TR" at 97.752,83.546 h0.64
  text "3.3V" at 60.655,82.398 h1.27
  text "VPC" at 92.888,82.218 h0.64
  text "Bulk Cap" at 135.255,70.129 h0.76
  text "SWDO" at 93.878,66.624 h0.64
  text "SWCLK" at 83.566,65.405 h0.64
  text "SWDIO" at 91.669,62.001 h0.64
  text "NRST" at 84.76,60.757 h0.64
  text "NRST" at 71.632,59.03 h1.27
Board Layer Stack Bottom Overlay:
  text "Designed by Jonathan Lin" at 130.378,138.989 h2.03
  text "Spring 2025" at 118.44,131.775 h2.03
Mechanical 1:
  text "Dimensions units in mm" at 69.395,151.028 h3

## Dimensions
146.025,144.856 to 146.329,139.065 on Mechanical 1
153.518,143.586 to 146.025,144.45 on Mechanical 1
60.909,144.856 to 65.938,139.065 on Mechanical 1
59.639,143.586 to 66.015,141.63 on Mechanical 1
60.782,47.574 to 66.624,53.365 on Mechanical 1
59.639,48.717 to 68.555,49.733 on Mechanical 1
152.375,47.6 to 143.408,53.391 on Mechanical 1
153.518,48.692 to 142.215,49.251 on Mechanical 1
59.69,44.983 to 153.416,44.983 on Mechanical 1

## Text inside footprints (layer, text, board x,y; h text height)
CONN1: Mechanical 13 "RefDes2" at 86.169,52.197 h1.27
CONN2: Mechanical 13 "RefDes2" at 142.4,80.623 h1.27 r90
CONN3: Mechanical 13 "RefDes2" at 150.597,73.393 h1.27 r90
CONN4: Mechanical 13 "RefDes2" at 124.041,104.75 h1.27 r180
CONN5: Mechanical 13 "RefDes2" at 76.352,83.566 h1.27
CONN6: Mechanical 13 "RefDes2" at 82.093,74.867 h1.27 r270
CONN7: Mechanical 13 "RefDes2" at 149.581,58.687 h1.27 r270
CONN8: Mechanical 13 "RefDes2" at 127.419,52.146 h1.27
FEM: Top Overlay "*" at 84.811,126.797 h1.27; Mechanical 13 "*" at 87.329,124.709 h1.27
MCU: Mechanical 13 "*" at 108.458,84.709 h1.27
SAW: Top Overlay "RX" at 84.988,114.503 h0.64; Mechanical 13 "*" at 86.83,114.173 h1.27
XCVR: Top Overlay "*" at 146.184,121.984 h1.27 r180; Mechanical 13 "*" at 146.136,122.282 h1.27 r180